# KiCad board panel.opm-inline.kicad_pcb (continued)
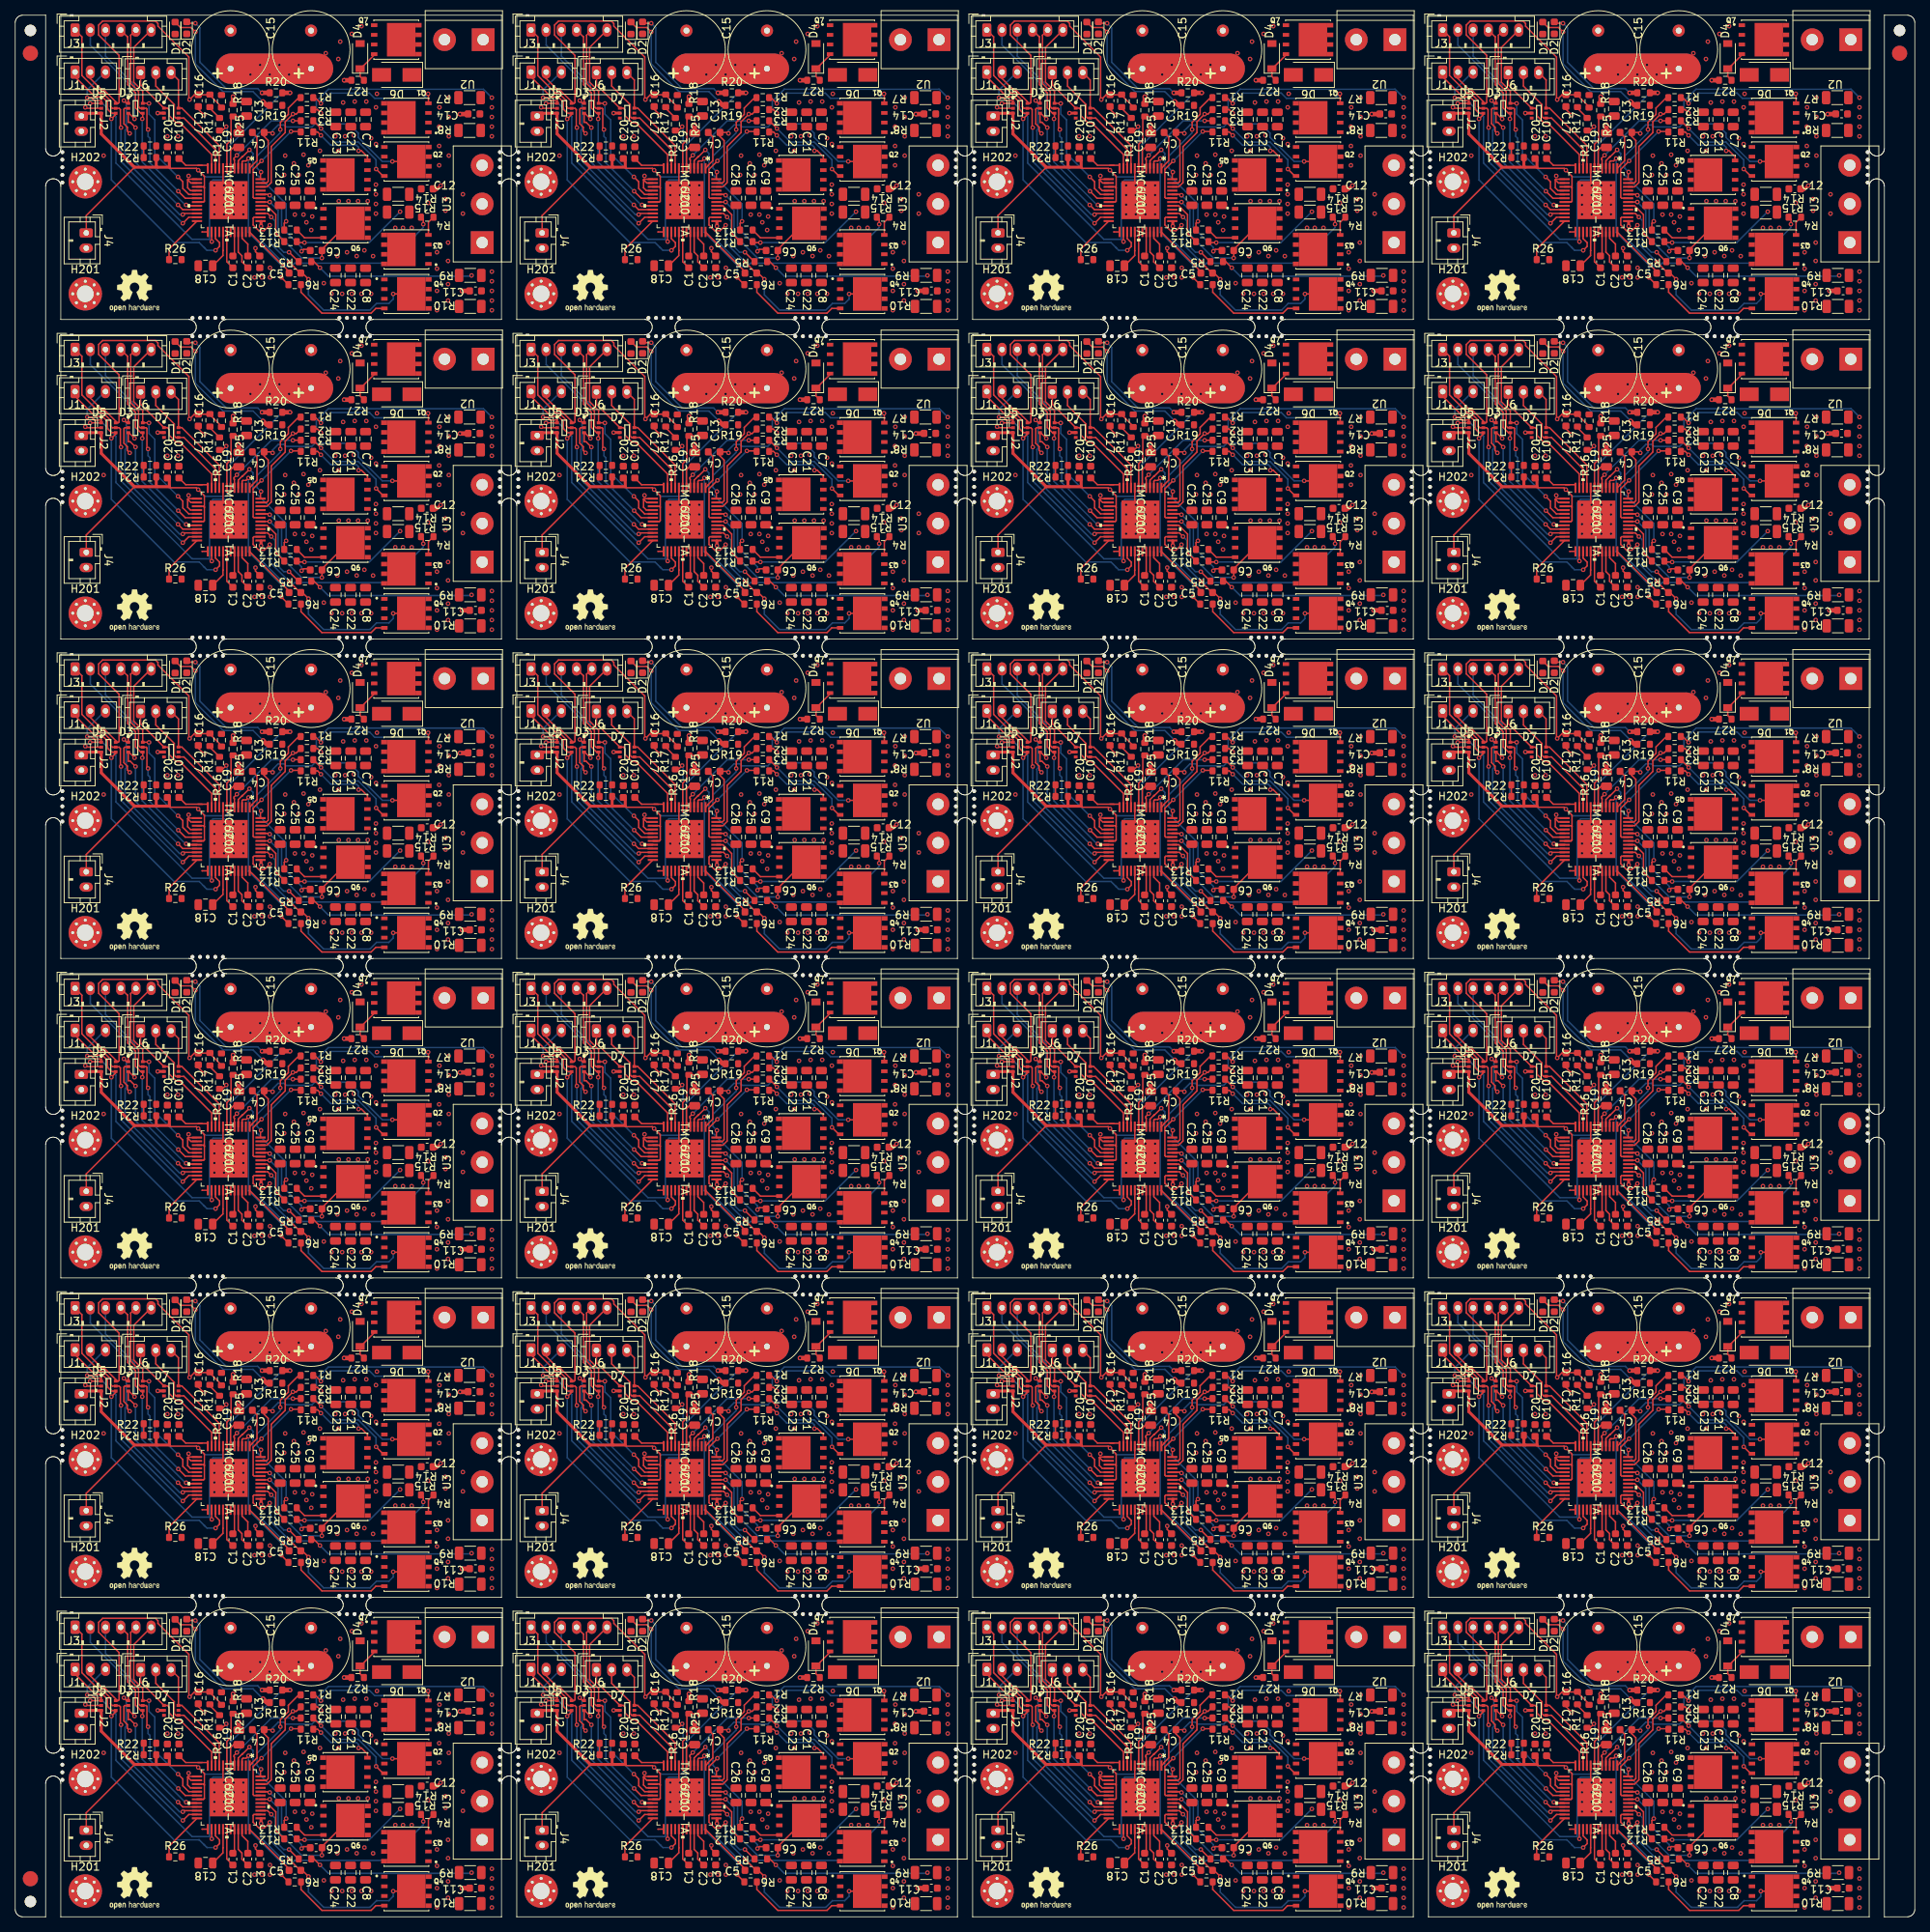
[diagram p0: board, top side]
## Routing (per net, layer and track width the routed paths; a pad name or vN(x,y) marks a point on that pad's centre or on a via; arc(x,y) is an arc through that point) (continued)
Board_23-Net-(C1-Pad1): length 5
  Top w0.2: IC1#15.30 207.68,7.6 C1#11.1
Board_23-Net-(C1-Pad2): length 3.2
  Top w0.2: C1#11.2 208.68,8.57 IC1#15.32
Board_23-Net-(C2-Pad2): length 3.5
  Top w0.2: IC1#15.34 209.68,10.68 210.44,9.92 C2#19.2
Board_23-Net-(C4-Pad1): length 31
  Top w0.2: C4#20.1 212.59,24.12 ; C4#20.1 213.58,24.59 v1(213.7,24.47) ; C4#20.1 212.59,24.06 213.12,23.52 213.12,18.17 212.9,17.95 IC1#15.47 ; v1(229.45,20.78) 229.46,20.78 Q2#2.5
  Bottom w0.2: v1(213.7,24.47) 213.7,24.85 214.43,25.57 215.19,25.57 215.45,25.32 218.88,25.32 219.27,25.71 223.76,25.71 224.97,24.5 224.97,23.94 228.13,20.78 v1(229.45,20.78)
  vias: v1(235.6,25.36) v1(235.6,22.82) v1(235.6,20.28) v1(235.64,27.9) v1(236.87,29.17) v1(236.87,26.63) v1(236.87,24.09) v1(236.87,21.55)
Board_23-Net-(C4-Pad2): length 5.4
  Top w0.2: C4#20.2 211.64,23.99 211.64,20.88 211.04,20.28 211.04,20.23 IC1#15.1
Board_23-Net-(C5-Pad1): length 7.4
  Top w0.2: IC1#15.36 210.68,11.49 215.86,6.31
Board_23-Net-(C5-Pad2): length 31.7
  Top w0.2: v1(229.56,3.37) Q4#13.5 ; v1(218.42,5.3) 217.61,6.11 C5#10.2 ; v1(213.32,12.4) 212.6,11.67 211.89,11.67 211.14,12.43 211.14,13.33 211.26,13.45 IC1#15.38 ; 217.41,6.31 217.13,6.31 v1(215.86,7.58)
  Bottom w0.2: v1(213.32,12.4) 213.42,12.3 213.42,10.02 v1(215.86,7.58) ; v1(229.56,3.37) 229.56,2.68 228.99,2.11 227.36,2.11 226.49,1.24 220.41,1.24 218.42,3.24 v1(218.42,5.3)
  vias: v1(235.31,8.85) v1(235.31,6.69) v1(235.31,3.77) v1(235.31,1.23) v1(236.77,10.12) v1(236.77,7.7) v1(236.77,4.65) v1(236.77,2.5)
Board_23-Net-(C6-Pad1): length 19.3
  Top w0.2: v1(213.32,15.45) 213.32,15.45 IC1#15.42 ; Q6#21.5 223.62,12.66 220.19,9.23 220.19,8.1 v1(220.18,8.08)
  Bottom w0.2: v1(213.32,15.45) 214.42,14.35 214.42,11.18 217.51,8.08 v1(220.18,8.08)
  vias: v1(222.4,15.57) v1(223.67,15.57) v1(224.94,15.57) v1(226.21,15.57) v1(227.28,17.74) v1(227.28,16.47) v1(227.28,15.2) v1(227.28,13.93)
Board_23-Net-(C6-Pad2): length 12.4
  Top w0.2: v1(217.51,8.97) 217.77,9.23 218.64,9.23 ; v1(213.32,16.34) 213.22,16.45 IC1#15.44 212.96,16.45
  Bottom w0.2: v1(217.51,8.97) 217.51,9.48 214.88,12.11 214.88,14.78 v1(213.32,16.34)
Board_23-Net-(D1-Pad2): length 19.4
  Top w0.2: R19#13.1 212.94,28.15 ; D1#4.2 201.59,38.39 202.96,38.39 v1(203.54,37.8)
  Top w0.6: 212.94,28.15 v1(212.43,28.66)
  Bottom w0.2: v1(203.54,37.8) 203.54,33.61 207.19,29.96 211.13,29.96 v1(212.43,28.66)
Board_23-Net-(D2-Pad2): length 17.4
  Top w0.2: v1(203.54,38.94) 202.58,38.94 D2#18.2
  Top w0.6: R20#4.1 v1(212.31,29.8)
  Bottom w0.2: v1(203.54,38.94) 204.14,38.34 204.14,33.82 207.6,30.36 211.74,30.36 v1(212.31,29.8)
Board_23-Net-(D4-Pad1): length 4.4
  Top w0.2: 225.26,32.98 227.06,34.78 Q7#6.4 ; D4#12.1 225.21,31.95 R27#2.1
Board_23-Net-(IC1-Pad3): length 20.6
  Top w0.2: v1(210.53,21.16) 210.21,20.85 209.8,20.85 209.68,20.73 IC1#15.3 ; v1(214.85,5.54) 214.85,5.52 R6#15.2
  Bottom w0.2: v1(210.53,21.16) 210.53,11.46 214.85,7.14 v1(214.85,5.54)
Board_23-Net-(IC1-Pad4): length 16.7
  Top w0.2: 209.68,21.38 209.77,21.46 ; 209.68,21.38 209.18,20.88 IC1#15.4 209.18,20.69 ; 209.68,21.38 209.72,21.38 v1(210.66,22.31) ; v1(215.48,12.91) 215.23,12.66 R13#15.2
  Bottom w0.2: v1(215.48,12.91) 215.48,15.2 211.13,19.55 211.13,21.83 v1(210.66,22.31)
Board_23-Net-(IC1-Pad5): length 12.2
  Top w0.2: v1(209,21.59) 208.62,21.21 208.62,21.04 208.68,20.98 IC1#15.5 ; R3#23.2 216.38,26.13 v1(216.37,26.12)
  Bottom w0.2: v1(209,21.59) 213.53,26.12 v1(216.37,26.12)
Board_23-Net-(IC1-Pad24): length 6.6
  Top w0.2: R26#4.1 200.08,9.27 IC1#15.24
Board_23-Net-(IC1-Pad37): length 28.9
  Top w0.2: v1(233.52,12.53) 233.52,13.15 R4#24.2 ; 212.18,12.88 IC1#15.37
  Top w0.4: v1(212.18,12.27) 212.18,12.88
  Bottom w0.2: v1(233.52,12.53) 233.52,12.1 228.82,7.41 216.59,7.41 216.15,6.98 215.57,6.98 212.18,10.37 v1(212.18,12.27)
Board_23-Net-(IC1-Pad39): length 9.3
  Top w0.2: 217.13,7.81 216.9,7.81 v1(215.86,8.85) ; v1(213.52,13.47) 213.05,13.95 IC1#15.39
  Bottom w0.2: v1(213.52,13.47) 214.02,12.97 214.02,9.98 215.16,8.85 v1(215.86,8.85)
Board_23-Net-(IC1-Pad41): length 6.5
  Top w0.2: IC1#15.41 212.96,14.95 214.12,13.79 214.12,11.35 R12#3.2
Board_23-Net-(IC1-Pad43): length 13.1
  Top w0.2: IC1#15.43 211.26,15.95 211.14,16.07 211.14,19.74 v1(212.24,20.85) ; v1(216.12,24.72) 217.34,24.72 R11#12.2
  Bottom w0.2: v1(212.24,20.85) v1(216.12,24.72)
Board_23-Net-(IC1-Pad46): length 13.1
  Top w0.2: IC1#15.46 212.96,17.45 213.52,18 213.52,22.74 215.35,24.58 215.35,25.99 216.37,27.01 v1(216.37,27.01) 216.81,27.01 R2#13.2
Board_23-Net-(IC1-Pad48): length 13.8
  Top w0.2: R1#17.2 217.13,29.17 215.77,27.8 215.77,26.97 214.72,25.92 v1(214.72,24.97) ; v1(212.18,19.39) 212.11,19.32 IC1#15.48
  Bottom w0.2: v1(214.72,24.97) 214.72,24.55 211.64,21.47 211.64,19.92 v1(212.18,19.39) 212.18,19.64
Board_23-Net-(Q1-Pad4): length 17.8
  Top w0.2: Q1#7.4 234.19,29.63 v1(234.15,29.67) ; R1#17.1 219.29,29.17 v1(220.05,28.4)
  Bottom w0.2: v1(234.15,29.67) 233.55,29.07 227.13,29.07 226.44,29.77 221.42,29.77 v1(220.05,28.4)
Board_23-Net-(Q2-Pad4): length 13.2
  Top w0.2: v1(227.31,19.78) 228.22,18.87 Q2#2.4 ; 220.18,25 v1(220.06,25.11) R3#23.1
  Bottom w0.2: v1(227.31,19.78) 227.31,20.99 224.97,23.32 221.85,23.32 v1(220.06,25.11)
Board_23-Net-(Q3-Pad4): length 2.6
  Top w0.2: R4#24.1 234.19,12.79 Q3#3.4
Board_23-Net-(Q4-Pad4): length 13.5
  Top w0.2: Q4#13.4 227.27,1.46 226.66,0.84 220.18,0.84 217.43,3.59 R6#15.1 217.63,4.59
Board_23-Net-(Q5-Pad4): length 9.2
  Top w0.2: v1(220.05,24.21) 219.61,24.66 R11#12.1 ; Q5#6.4 226.17,21.4 225.39,22.18 v1(225.01,22.18)
  Bottom w0.2: v1(220.05,24.21) 221.35,22.92 224.73,22.92 225.01,22.63 v1(225.01,22.18)
Board_23-Net-(Q6-Pad4): length 3.9
  Top w0.2: R13#15.1 217.89,10.75 Q6#21.4
Board_23-Net-(R16-Pad2): length 2
  Top w0.2: R16#4.2 205.45,27.77 R17#17.1

## Copper pours and planes (outline as drawn; the poured copper is in the pictures)
Board_0-/+VM on Top: 47.95,245.34 45.92,245.34 40.84,241.15 38.3,242.42 37.79,244.32 45.16,249.28 47.95,249.28
Board_0-/+VM on Top: 53.41,233.78 47.82,233.78 47.82,236.58 40.58,236.58 40.58,240.26 53.41,240.26
Board_0-/+VM on Top: 53.16,216.13 41.09,216.13 41.09,219.81 47.7,219.94 47.7,222.73 53.16,222.61
Board_0-/+VM on Top: 34.2,214.99 29.84,214.99 29.84,217.53 34.2,217.53
Board_0-/+VM on Top: 45.19,226.42 33.47,226.42 33.47,232.77 45.19,232.77
Board_0-/+VM on Bottom: 45.19,226.42 33.47,226.42 33.47,232.77 45.19,232.77
Board_0-/+VM on Bottom: 53.16,216.13 41.09,216.13 41.09,219.81 47.7,219.94 47.7,222.73 53.16,222.61
Board_0-/+VM on Bottom: 47.92,245.34 45.89,245.34 40.81,241.15 38.27,242.42 37.76,244.32 45.13,249.28 47.92,249.28
Board_0-/+VM on Bottom: 53.41,233.78 47.82,233.78 47.82,236.58 40.58,236.58 44.14,240.26 53.41,240.13
Board_0-/+VM on In1.Cu: 47.68,245.39 45.65,245.39 39.19,241.02 38.03,242.47 37.52,244.38 44.89,249.33 47.68,249.33
Board_0-/+VM on In2.Cu: 63.28,210.31 6.13,210.31 6.13,249.68 63.28,249.68
Board_0-/U on Top: 63.95,228.09 59.25,228.07 59.25,240.77 63.95,240.79
Board_0-/U on Bottom: 63.95,228.09 59.25,228.07 59.25,240.77 63.95,240.79
Board_0-/V on Top: 63.95,222.81 47.44,222.81 47.44,227.89 63.95,227.89
Board_0-/V on Bottom: 63.95,222.81 47.44,222.81 47.44,227.89 63.95,227.89
Board_0-/W on Top: 63.95,209.91 59.63,210.03 59.63,222.73 63.95,222.61
Board_0-/W on Bottom: 63.95,209.91 59.63,209.91 59.63,222.61 63.95,222.61
Board_0-GND on Top: 63.28,210.31 6.13,210.31 6.13,249.68 63.28,249.68
Board_0-GND on Top: 47.44,234.04 49.73,234.04 49.73,229.59 47.31,229.59 47.31,232 45.54,232 45.54,233.02 40.33,233.02 40.33,236.2 47.44,236.2
Board_0-GND on Top: 41.22,221.34 37.92,221.34 37.92,222.23 37.54,222.61 36.39,222.61 36.39,223.24 35.76,223.62 34.87,223.5 34.87,223.88 34.49,224.38 33.98,224.38 33.98,225.91 41.22,225.91
Board_0-GND on Bottom: 63.28,210.29 6.13,210.29 6.13,249.66 63.28,249.66
Board_0-GND on Bottom: 41.22,221.34 37.92,221.34 37.92,222.23 37.54,222.61 36.39,222.61 36.39,223.24 35.76,223.62 34.87,223.5 34.87,223.88 34.49,224.38 33.98,224.38 33.98,225.91 41.22,225.91
Board_0-GND on In1.Cu: 63.28,210.31 6.13,210.31 6.13,249.68 63.28,249.68
Board_0-Net-(C4-Pad1) on Top: 59,228.45 50.11,228.45 50.17,232.57 53.79,232.64 53.79,237.72 55.25,237.65 55.25,240.19 59.06,240.19
Board_0-Net-(C4-Pad1) on Bottom: 59,228.45 50.11,228.45 50.17,232.57 53.79,232.64 53.79,237.72 55.25,237.65 55.25,240.19 59.06,240.19
Board_0-Net-(C5-Pad2) on Top: 59.13,210.29 49.98,210.29 49.98,215.75 53.79,215.75 53.79,220.45 55.19,220.45 55.19,222.61 59.13,222.61
Board_0-Net-(C5-Pad2) on Bottom: 59.13,210.29 49.98,210.29 49.98,215.75 53.79,215.75 53.79,220.45 55.19,220.45 55.19,222.61 59.13,222.61
Board_0-Net-(C6-Pad1) on Top: 47.19,229.34 47.82,229.34 47.82,227.69 49.6,227.69 49.6,222.99 47.31,222.99 47.31,220.45 41.73,220.45 41.73,226.04 45.54,226.04 45.54,230.23 47.19,230.23
Board_0-Net-(C6-Pad1) on Bottom: 47.19,229.34 47.82,229.34 47.82,227.69 49.6,227.69 49.6,222.99 47.31,222.99 47.31,220.45 41.73,220.45 41.73,226.04 45.54,226.04 45.54,230.23 47.19,230.23
Board_0-Net-(D6-Pad2) on Top: 58.87,243.82 51.66,243.82 50.36,243.31 50.36,240.64 46.68,240.64 46.68,243.31 47.82,244.02 47.82,249.15 58.87,249.15
Board_1-/+VM on Top: 107.9,245.34 105.87,245.34 100.79,241.15 98.25,242.42 97.74,244.32 105.11,249.28 107.9,249.28
Board_1-/+VM on Top: 113.36,233.78 107.77,233.78 107.77,236.58 100.53,236.58 100.53,240.26 113.36,240.26
Board_1-/+VM on Top: 113.11,216.13 101.04,216.13 101.04,219.81 107.65,219.94 107.65,222.73 113.11,222.61
Board_1-/+VM on Top: 94.15,214.99 89.79,214.99 89.79,217.53 94.15,217.53
Board_1-/+VM on Top: 105.14,226.42 93.42,226.42 93.42,232.77 105.14,232.77
Board_1-/+VM on Bottom: 105.14,226.42 93.42,226.42 93.42,232.77 105.14,232.77
Board_1-/+VM on Bottom: 113.11,216.13 101.04,216.13 101.04,219.81 107.65,219.94 107.65,222.73 113.11,222.61
Board_1-/+VM on Bottom: 107.87,245.34 105.84,245.34 100.76,241.15 98.22,242.42 97.71,244.32 105.08,249.28 107.87,249.28
Board_1-/+VM on Bottom: 113.36,233.78 107.77,233.78 107.77,236.58 100.53,236.58 104.09,240.26 113.36,240.13
Board_1-/+VM on In1.Cu: 107.63,245.39 105.6,245.39 99.14,241.02 97.98,242.47 97.47,244.38 104.84,249.33 107.63,249.33
Board_1-/+VM on In2.Cu: 123.23,210.31 66.08,210.31 66.08,249.68 123.23,249.68
Board_1-/U on Top: 123.9,228.09 119.2,228.07 119.2,240.77 123.9,240.79
Board_1-/U on Bottom: 123.9,228.09 119.2,228.07 119.2,240.77 123.9,240.79
Board_1-/V on Top: 123.9,222.81 107.39,222.81 107.39,227.89 123.9,227.89
Board_1-/V on Bottom: 123.9,222.81 107.39,222.81 107.39,227.89 123.9,227.89
Board_1-/W on Top: 123.9,209.91 119.58,210.03 119.58,222.73 123.9,222.61
Board_1-/W on Bottom: 123.9,209.91 119.58,209.91 119.58,222.61 123.9,222.61
Board_1-GND on Top: 123.23,210.31 66.08,210.31 66.08,249.68 123.23,249.68
Board_1-GND on Top: 107.39,234.04 109.68,234.04 109.68,229.59 107.27,229.59 107.27,232 105.49,232 105.49,233.02 100.28,233.02 100.28,236.2 107.39,236.2
Board_1-GND on Top: 101.17,221.34 97.87,221.34 97.87,222.23 97.49,222.61 96.34,222.61 96.34,223.24 95.71,223.62 94.82,223.5 94.82,223.88 94.44,224.38 93.93,224.38 93.93,225.91 101.17,225.91
Board_1-GND on Bottom: 123.23,210.29 66.08,210.29 66.08,249.66 123.23,249.66
Board_1-GND on Bottom: 101.17,221.34 97.87,221.34 97.87,222.23 97.49,222.61 96.34,222.61 96.34,223.24 95.71,223.62 94.82,223.5 94.82,223.88 94.44,224.38 93.93,224.38 93.93,225.91 101.17,225.91
Board_1-GND on In1.Cu: 123.23,210.31 66.08,210.31 66.08,249.68 123.23,249.68
Board_1-Net-(C4-Pad1) on Top: 118.95,228.45 110.06,228.45 110.12,232.57 113.74,232.64 113.74,237.72 115.2,237.65 115.2,240.19 119.01,240.19
Board_1-Net-(C4-Pad1) on Bottom: 118.95,228.45 110.06,228.45 110.12,232.57 113.74,232.64 113.74,237.72 115.2,237.65 115.2,240.19 119.01,240.19
Board_1-Net-(C5-Pad2) on Top: 119.08,210.29 109.93,210.29 109.93,215.75 113.74,215.75 113.74,220.45 115.14,220.45 115.14,222.61 119.08,222.61
Board_1-Net-(C5-Pad2) on Bottom: 119.08,210.29 109.93,210.29 109.93,215.75 113.74,215.75 113.74,220.45 115.14,220.45 115.14,222.61 119.08,222.61
Board_1-Net-(C6-Pad1) on Top: 107.14,229.34 107.77,229.34 107.77,227.69 109.55,227.69 109.55,222.99 107.27,222.99 107.27,220.45 101.68,220.45 101.68,226.04 105.49,226.04 105.49,230.23 107.14,230.23
Board_1-Net-(C6-Pad1) on Bottom: 107.14,229.34 107.77,229.34 107.77,227.69 109.55,227.69 109.55,222.99 107.27,222.99 107.27,220.45 101.68,220.45 101.68,226.04 105.49,226.04 105.49,230.23 107.14,230.23
Board_1-Net-(D6-Pad2) on Top: 118.82,243.82 111.61,243.82 110.31,243.31 110.31,240.64 106.63,240.64 106.63,243.31 107.77,244.02 107.77,249.15 118.82,249.15
Board_2-/+VM on Top: 167.85,245.34 165.82,245.34 160.74,241.15 158.2,242.42 157.69,244.32 165.06,249.28 167.85,249.28
Board_2-/+VM on Top: 173.31,233.78 167.72,233.78 167.72,236.58 160.48,236.58 160.48,240.26 173.31,240.26
Board_2-/+VM on Top: 173.06,216.13 160.99,216.13 160.99,219.81 167.6,219.94 167.6,222.73 173.06,222.61
Board_2-/+VM on Top: 154.1,214.99 149.74,214.99 149.74,217.53 154.1,217.53
Board_2-/+VM on Top: 165.09,226.42 153.37,226.42 153.37,232.77 165.09,232.77
Board_2-/+VM on Bottom: 165.09,226.42 153.37,226.42 153.37,232.77 165.09,232.77
Board_2-/+VM on Bottom: 173.06,216.13 160.99,216.13 160.99,219.81 167.6,219.94 167.6,222.73 173.06,222.61
Board_2-/+VM on Bottom: 167.82,245.34 165.79,245.34 160.71,241.15 158.17,242.42 157.66,244.32 165.03,249.28 167.82,249.28
Board_2-/+VM on Bottom: 173.31,233.78 167.72,233.78 167.72,236.58 160.48,236.58 164.04,240.26 173.31,240.13
Board_2-/+VM on In1.Cu: 167.58,245.39 165.55,245.39 159.09,241.02 157.93,242.47 157.42,244.38 164.79,249.33 167.58,249.33
Board_2-/+VM on In2.Cu: 183.18,210.31 126.03,210.31 126.03,249.68 183.18,249.68
Board_2-/U on Top: 183.85,228.09 179.15,228.07 179.15,240.77 183.85,240.79
Board_2-/U on Bottom: 183.85,228.09 179.15,228.07 179.15,240.77 183.85,240.79
Board_2-/V on Top: 183.85,222.81 167.34,222.81 167.34,227.89 183.85,227.89
Board_2-/V on Bottom: 183.85,222.81 167.34,222.81 167.34,227.89 183.85,227.89
Board_2-/W on Top: 183.85,209.91 179.53,210.03 179.53,222.73 183.85,222.61
Board_2-/W on Bottom: 183.85,209.91 179.53,209.91 179.53,222.61 183.85,222.61
Board_2-GND on Top: 183.18,210.31 126.03,210.31 126.03,249.68 183.18,249.68
Board_2-GND on Top: 167.34,234.04 169.63,234.04 169.63,229.59 167.22,229.59 167.22,232 165.44,232 165.44,233.02 160.23,233.02 160.23,236.2 167.34,236.2
Board_2-GND on Top: 161.12,221.34 157.82,221.34 157.82,222.23 157.44,222.61 156.29,222.61 156.29,223.24 155.66,223.62 154.77,223.5 154.77,223.88 154.39,224.38 153.88,224.38 153.88,225.91 161.12,225.91
Board_2-GND on Bottom: 183.18,210.29 126.03,210.29 126.03,249.66 183.18,249.66
Board_2-GND on Bottom: 161.12,221.34 157.82,221.34 157.82,222.23 157.44,222.61 156.29,222.61 156.29,223.24 155.66,223.62 154.77,223.5 154.77,223.88 154.39,224.38 153.88,224.38 153.88,225.91 161.12,225.91
Board_2-GND on In1.Cu: 183.18,210.31 126.03,210.31 126.03,249.68 183.18,249.68
Board_2-Net-(C4-Pad1) on Top: 178.9,228.45 170.01,228.45 170.07,232.57 173.69,232.64 173.69,237.72 175.15,237.65 175.15,240.19 178.96,240.19
Board_2-Net-(C4-Pad1) on Bottom: 178.9,228.45 170.01,228.45 170.07,232.57 173.69,232.64 173.69,237.72 175.15,237.65 175.15,240.19 178.96,240.19
Board_2-Net-(C5-Pad2) on Top: 179.03,210.29 169.88,210.29 169.88,215.75 173.69,215.75 173.69,220.45 175.09,220.45 175.09,222.61 179.03,222.61
Board_2-Net-(C5-Pad2) on Bottom: 179.03,210.29 169.88,210.29 169.88,215.75 173.69,215.75 173.69,220.45 175.09,220.45 175.09,222.61 179.03,222.61
Board_2-Net-(C6-Pad1) on Top: 167.09,229.34 167.72,229.34 167.72,227.69 169.5,227.69 169.5,222.99 167.22,222.99 167.22,220.45 161.63,220.45 161.63,226.04 165.44,226.04 165.44,230.23 167.09,230.23
Board_2-Net-(C6-Pad1) on Bottom: 167.09,229.34 167.72,229.34 167.72,227.69 169.5,227.69 169.5,222.99 167.22,222.99 167.22,220.45 161.63,220.45 161.63,226.04 165.44,226.04 165.44,230.23 167.09,230.23
Board_2-Net-(D6-Pad2) on Top: 178.77,243.82 171.56,243.82 170.26,243.31 170.26,240.64 166.58,240.64 166.58,243.31 167.72,244.02 167.72,249.15 178.77,249.15
Board_3-/+VM on Top: 227.8,245.34 225.77,245.34 220.69,241.15 218.15,242.42 217.64,244.32 225.01,249.28 227.8,249.28
Board_3-/+VM on Top: 233.26,233.78 227.67,233.78 227.67,236.58 220.43,236.58 220.43,240.26 233.26,240.26
Board_3-/+VM on Top: 233.01,216.13 220.94,216.13 220.94,219.81 227.55,219.94 227.55,222.73 233.01,222.61
Board_3-/+VM on Top: 214.05,214.99 209.69,214.99 209.69,217.53 214.05,217.53
Board_3-/+VM on Top: 225.04,226.42 213.32,226.42 213.32,232.77 225.04,232.77
Board_3-/+VM on Bottom: 225.04,226.42 213.32,226.42 213.32,232.77 225.04,232.77
Board_3-/+VM on Bottom: 233.01,216.13 220.94,216.13 220.94,219.81 227.55,219.94 227.55,222.73 233.01,222.61
Board_3-/+VM on Bottom: 227.77,245.34 225.74,245.34 220.66,241.15 218.12,242.42 217.61,244.32 224.98,249.28 227.77,249.28
Board_3-/+VM on Bottom: 233.26,233.78 227.67,233.78 227.67,236.58 220.43,236.58 223.99,240.26 233.26,240.13
Board_3-/+VM on In1.Cu: 227.53,245.39 225.5,245.39 219.04,241.02 217.88,242.47 217.37,244.38 224.74,249.33 227.53,249.33
Board_3-/+VM on In2.Cu: 243.13,210.31 185.98,210.31 185.98,249.68 243.13,249.68
Board_3-/U on Top: 243.8,228.09 239.1,228.07 239.1,240.77 243.8,240.79
Board_3-/U on Bottom: 243.8,228.09 239.1,228.07 239.1,240.77 243.8,240.79
Board_3-/V on Top: 243.8,222.81 227.29,222.81 227.29,227.89 243.8,227.89
Board_3-/V on Bottom: 243.8,222.81 227.29,222.81 227.29,227.89 243.8,227.89
Board_3-/W on Top: 243.8,209.91 239.48,210.03 239.48,222.73 243.8,222.61
Board_3-/W on Bottom: 243.8,209.91 239.48,209.91 239.48,222.61 243.8,222.61
Board_3-GND on Top: 243.13,210.31 185.98,210.31 185.98,249.68 243.13,249.68
Board_3-GND on Top: 227.29,234.04 229.58,234.04 229.58,229.59 227.17,229.59 227.17,232 225.39,232 225.39,233.02 220.18,233.02 220.18,236.2 227.29,236.2
Board_3-GND on Top: 221.07,221.34 217.77,221.34 217.77,222.23 217.39,222.61 216.24,222.61 216.24,223.24 215.61,223.62 214.72,223.5 214.72,223.88 214.34,224.38 213.83,224.38 213.83,225.91 221.07,225.91
Board_3-GND on Bottom: 243.13,210.29 185.98,210.29 185.98,249.66 243.13,249.66
Board_3-GND on Bottom: 221.07,221.34 217.77,221.34 217.77,222.23 217.39,222.61 216.24,222.61 216.24,223.24 215.61,223.62 214.72,223.5 214.72,223.88 214.34,224.38 213.83,224.38 213.83,225.91 221.07,225.91
Board_3-GND on In1.Cu: 243.13,210.31 185.98,210.31 185.98,249.68 243.13,249.68
Board_3-Net-(C4-Pad1) on Top: 238.85,228.45 229.96,228.45 230.02,232.57 233.64,232.64 233.64,237.72 235.1,237.65 235.1,240.19 238.91,240.19
Board_3-Net-(C4-Pad1) on Bottom: 238.85,228.45 229.96,228.45 230.02,232.57 233.64,232.64 233.64,237.72 235.1,237.65 235.1,240.19 238.91,240.19
Board_3-Net-(C5-Pad2) on Top: 238.98,210.29 229.83,210.29 229.83,215.75 233.64,215.75 233.64,220.45 235.04,220.45 235.04,222.61 238.98,222.61
Board_3-Net-(C5-Pad2) on Bottom: 238.98,210.29 229.83,210.29 229.83,215.75 233.64,215.75 233.64,220.45 235.04,220.45 235.04,222.61 238.98,222.61
Board_3-Net-(C6-Pad1) on Top: 227.04,229.34 227.67,229.34 227.67,227.69 229.45,227.69 229.45,222.99 227.17,222.99 227.17,220.45 221.58,220.45 221.58,226.04 225.39,226.04 225.39,230.23 227.04,230.23
Board_3-Net-(C6-Pad1) on Bottom: 227.04,229.34 227.67,229.34 227.67,227.69 229.45,227.69 229.45,222.99 227.17,222.99 227.17,220.45 221.58,220.45 221.58,226.04 225.39,226.04 225.39,230.23 227.04,230.23
Board_3-Net-(D6-Pad2) on Top: 238.72,243.82 231.51,243.82 230.21,243.31 230.21,240.64 226.53,240.64 226.53,243.31 227.67,244.02 227.67,249.15 238.72,249.15
Board_4-/+VM on Top: 47.95,203.35 45.92,203.35 40.84,199.16 38.3,200.43 37.79,202.33 45.16,207.29 47.95,207.29
Board_4-/+VM on Top: 53.41,191.79 47.82,191.79 47.82,194.59 40.58,194.59 40.58,198.27 53.41,198.27
Board_4-/+VM on Top: 53.16,174.14 41.09,174.14 41.09,177.82 47.7,177.95 47.7,180.74 53.16,180.62
Board_4-/+VM on Top: 34.2,173 29.84,173 29.84,175.54 34.2,175.54
Board_4-/+VM on Top: 45.19,184.43 33.47,184.43 33.47,190.78 45.19,190.78
Board_4-/+VM on Bottom: 45.19,184.43 33.47,184.43 33.47,190.78 45.19,190.78
Board_4-/+VM on Bottom: 53.16,174.14 41.09,174.14 41.09,177.82 47.7,177.95 47.7,180.74 53.16,180.62
Board_4-/+VM on Bottom: 47.92,203.35 45.89,203.35 40.81,199.16 38.27,200.43 37.76,202.33 45.13,207.29 47.92,207.29
Board_4-/+VM on Bottom: 53.41,191.79 47.82,191.79 47.82,194.59 40.58,194.59 44.14,198.27 53.41,198.14
Board_4-/+VM on In1.Cu: 47.68,203.4 45.65,203.4 39.19,199.03 38.03,200.48 37.52,202.39 44.89,207.34 47.68,207.34
Board_4-/+VM on In2.Cu: 63.28,168.32 6.13,168.32 6.13,207.69 63.28,207.69
Board_4-/U on Top: 63.95,186.1 59.25,186.08 59.25,198.78 63.95,198.8
Board_4-/U on Bottom: 63.95,186.1 59.25,186.08 59.25,198.78 63.95,198.8
Board_4-/V on Top: 63.95,180.82 47.44,180.82 47.44,185.9 63.95,185.9
Board_4-/V on Bottom: 63.95,180.82 47.44,180.82 47.44,185.9 63.95,185.9
Board_4-/W on Top: 63.95,167.92 59.63,168.04 59.63,180.74 63.95,180.62
Board_4-/W on Bottom: 63.95,167.92 59.63,167.92 59.63,180.62 63.95,180.62
Board_4-GND on Top: 63.28,168.32 6.13,168.32 6.13,207.69 63.28,207.69
Board_4-GND on Top: 47.44,192.05 49.73,192.05 49.73,187.6 47.31,187.6 47.31,190.01 45.54,190.01 45.54,191.03 40.33,191.03 40.33,194.2 47.44,194.2
Board_4-GND on Top: 41.22,179.35 37.92,179.35 37.92,180.23 37.54,180.62 36.39,180.62 36.39,181.25 35.76,181.63 34.87,181.5 34.87,181.89 34.49,182.39 33.98,182.39 33.98,183.92 41.22,183.92
Board_4-GND on Bottom: 63.28,168.3 6.13,168.3 6.13,207.67 63.28,207.67
Board_4-GND on Bottom: 41.22,179.35 37.92,179.35 37.92,180.23 37.54,180.62 36.39,180.62 36.39,181.25 35.76,181.63 34.87,181.5 34.87,181.89 34.49,182.39 33.98,182.39 33.98,183.92 41.22,183.92
Board_4-GND on In1.Cu: 63.28,168.32 6.13,168.32 6.13,207.69 63.28,207.69
Board_4-Net-(C4-Pad1) on Top: 59,186.46 50.11,186.46 50.17,190.58 53.79,190.65 53.79,195.73 55.25,195.66 55.25,198.2 59.06,198.2
Board_4-Net-(C4-Pad1) on Bottom: 59,186.46 50.11,186.46 50.17,190.58 53.79,190.65 53.79,195.73 55.25,195.66 55.25,198.2 59.06,198.2
Board_4-Net-(C5-Pad2) on Top: 59.13,168.3 49.98,168.3 49.98,173.76 53.79,173.76 53.79,178.46 55.19,178.46 55.19,180.62 59.13,180.62
Board_4-Net-(C5-Pad2) on Bottom: 59.13,168.3 49.98,168.3 49.98,173.76 53.79,173.76 53.79,178.46 55.19,178.46 55.19,180.62 59.13,180.62
Board_4-Net-(C6-Pad1) on Top: 47.19,187.35 47.82,187.35 47.82,185.7 49.6,185.7 49.6,181 47.31,181 47.31,178.46 41.73,178.46 41.73,184.04 45.54,184.04 45.54,188.24 47.19,188.24
Board_4-Net-(C6-Pad1) on Bottom: 47.19,187.35 47.82,187.35 47.82,185.7 49.6,185.7 49.6,181 47.31,181 47.31,178.46 41.73,178.46 41.73,184.04 45.54,184.04 45.54,188.24 47.19,188.24
Board_4-Net-(D6-Pad2) on Top: 58.87,201.82 51.66,201.82 50.36,201.32 50.36,198.65 46.68,198.65 46.68,201.32 47.82,202.03 47.82,207.16 58.87,207.16
Board_5-/+VM on Top: 107.9,203.35 105.87,203.35 100.79,199.16 98.25,200.43 97.74,202.33 105.11,207.29 107.9,207.29
Board_5-/+VM on Top: 113.36,191.79 107.77,191.79 107.77,194.59 100.53,194.59 100.53,198.27 113.36,198.27
Board_5-/+VM on Top: 113.11,174.14 101.04,174.14 101.04,177.82 107.65,177.95 107.65,180.74 113.11,180.62
Board_5-/+VM on Top: 94.15,173 89.79,173 89.79,175.54 94.15,175.54
Board_5-/+VM on Top: 105.14,184.43 93.42,184.43 93.42,190.78 105.14,190.78
Board_5-/+VM on Bottom: 105.14,184.43 93.42,184.43 93.42,190.78 105.14,190.78
Board_5-/+VM on Bottom: 113.11,174.14 101.04,174.14 101.04,177.82 107.65,177.95 107.65,180.74 113.11,180.62
Board_5-/+VM on Bottom: 107.87,203.35 105.84,203.35 100.76,199.16 98.22,200.43 97.71,202.33 105.08,207.29 107.87,207.29
Board_5-/+VM on Bottom: 113.36,191.79 107.77,191.79 107.77,194.59 100.53,194.59 104.09,198.27 113.36,198.14
Board_5-/+VM on In1.Cu: 107.63,203.4 105.6,203.4 99.14,199.03 97.98,200.48 97.47,202.39 104.84,207.34 107.63,207.34
Board_5-/+VM on In2.Cu: 123.23,168.32 66.08,168.32 66.08,207.69 123.23,207.69
Board_5-/U on Top: 123.9,186.1 119.2,186.08 119.2,198.78 123.9,198.8
Board_5-/U on Bottom: 123.9,186.1 119.2,186.08 119.2,198.78 123.9,198.8
Board_5-/V on Top: 123.9,180.82 107.39,180.82 107.39,185.9 123.9,185.9
Board_5-/V on Bottom: 123.9,180.82 107.39,180.82 107.39,185.9 123.9,185.9
Board_5-/W on Top: 123.9,167.92 119.58,168.04 119.58,180.74 123.9,180.62
Board_5-/W on Bottom: 123.9,167.92 119.58,167.92 119.58,180.62 123.9,180.62
Board_5-GND on Top: 123.23,168.32 66.08,168.32 66.08,207.69 123.23,207.69
Board_5-GND on Top: 107.39,192.05 109.68,192.05 109.68,187.6 107.27,187.6 107.27,190.01 105.49,190.01 105.49,191.03 100.28,191.03 100.28,194.2 107.39,194.2
Board_5-GND on Top: 101.17,179.35 97.87,179.35 97.87,180.23 97.49,180.62 96.34,180.62 96.34,181.25 95.71,181.63 94.82,181.5 94.82,181.89 94.44,182.39 93.93,182.39 93.93,183.92 101.17,183.92
Board_5-GND on Bottom: 123.23,168.3 66.08,168.3 66.08,207.67 123.23,207.67
Board_5-GND on Bottom: 101.17,179.35 97.87,179.35 97.87,180.23 97.49,180.62 96.34,180.62 96.34,181.25 95.71,181.63 94.82,181.5 94.82,181.89 94.44,182.39 93.93,182.39 93.93,183.92 101.17,183.92